# KiCad board Layer0.kicad_pcb
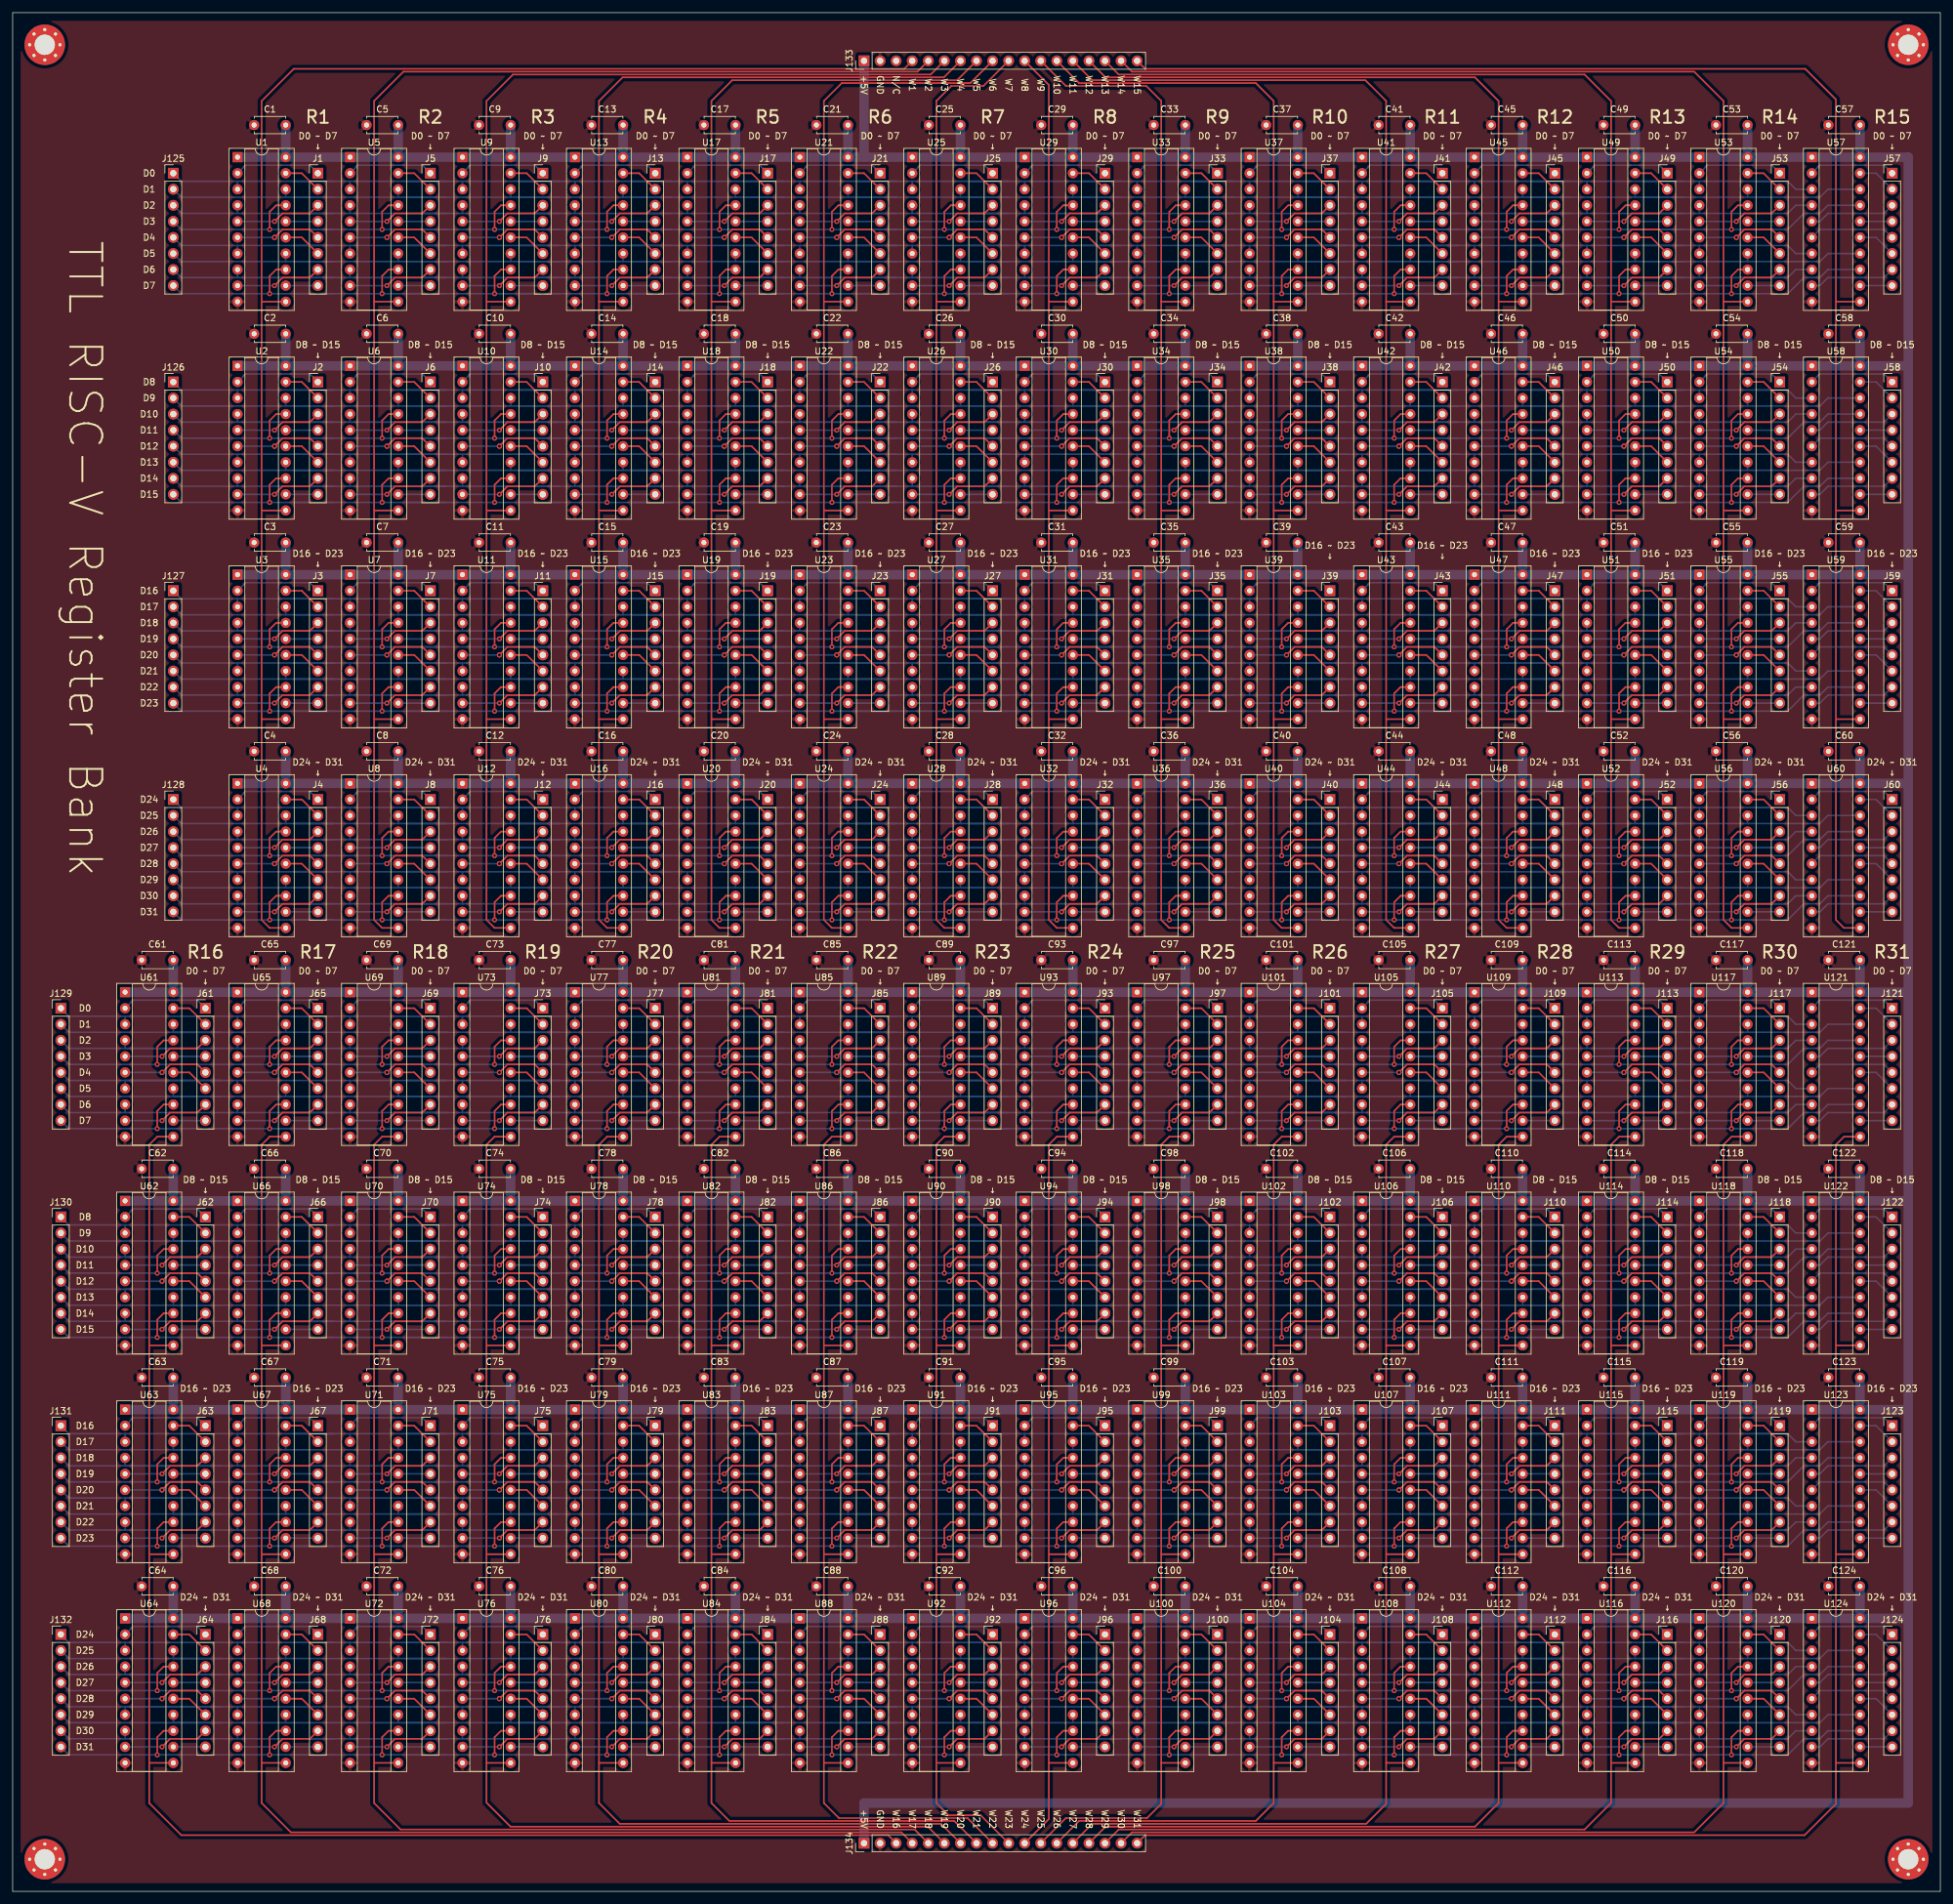
[diagram p0: board, top side]
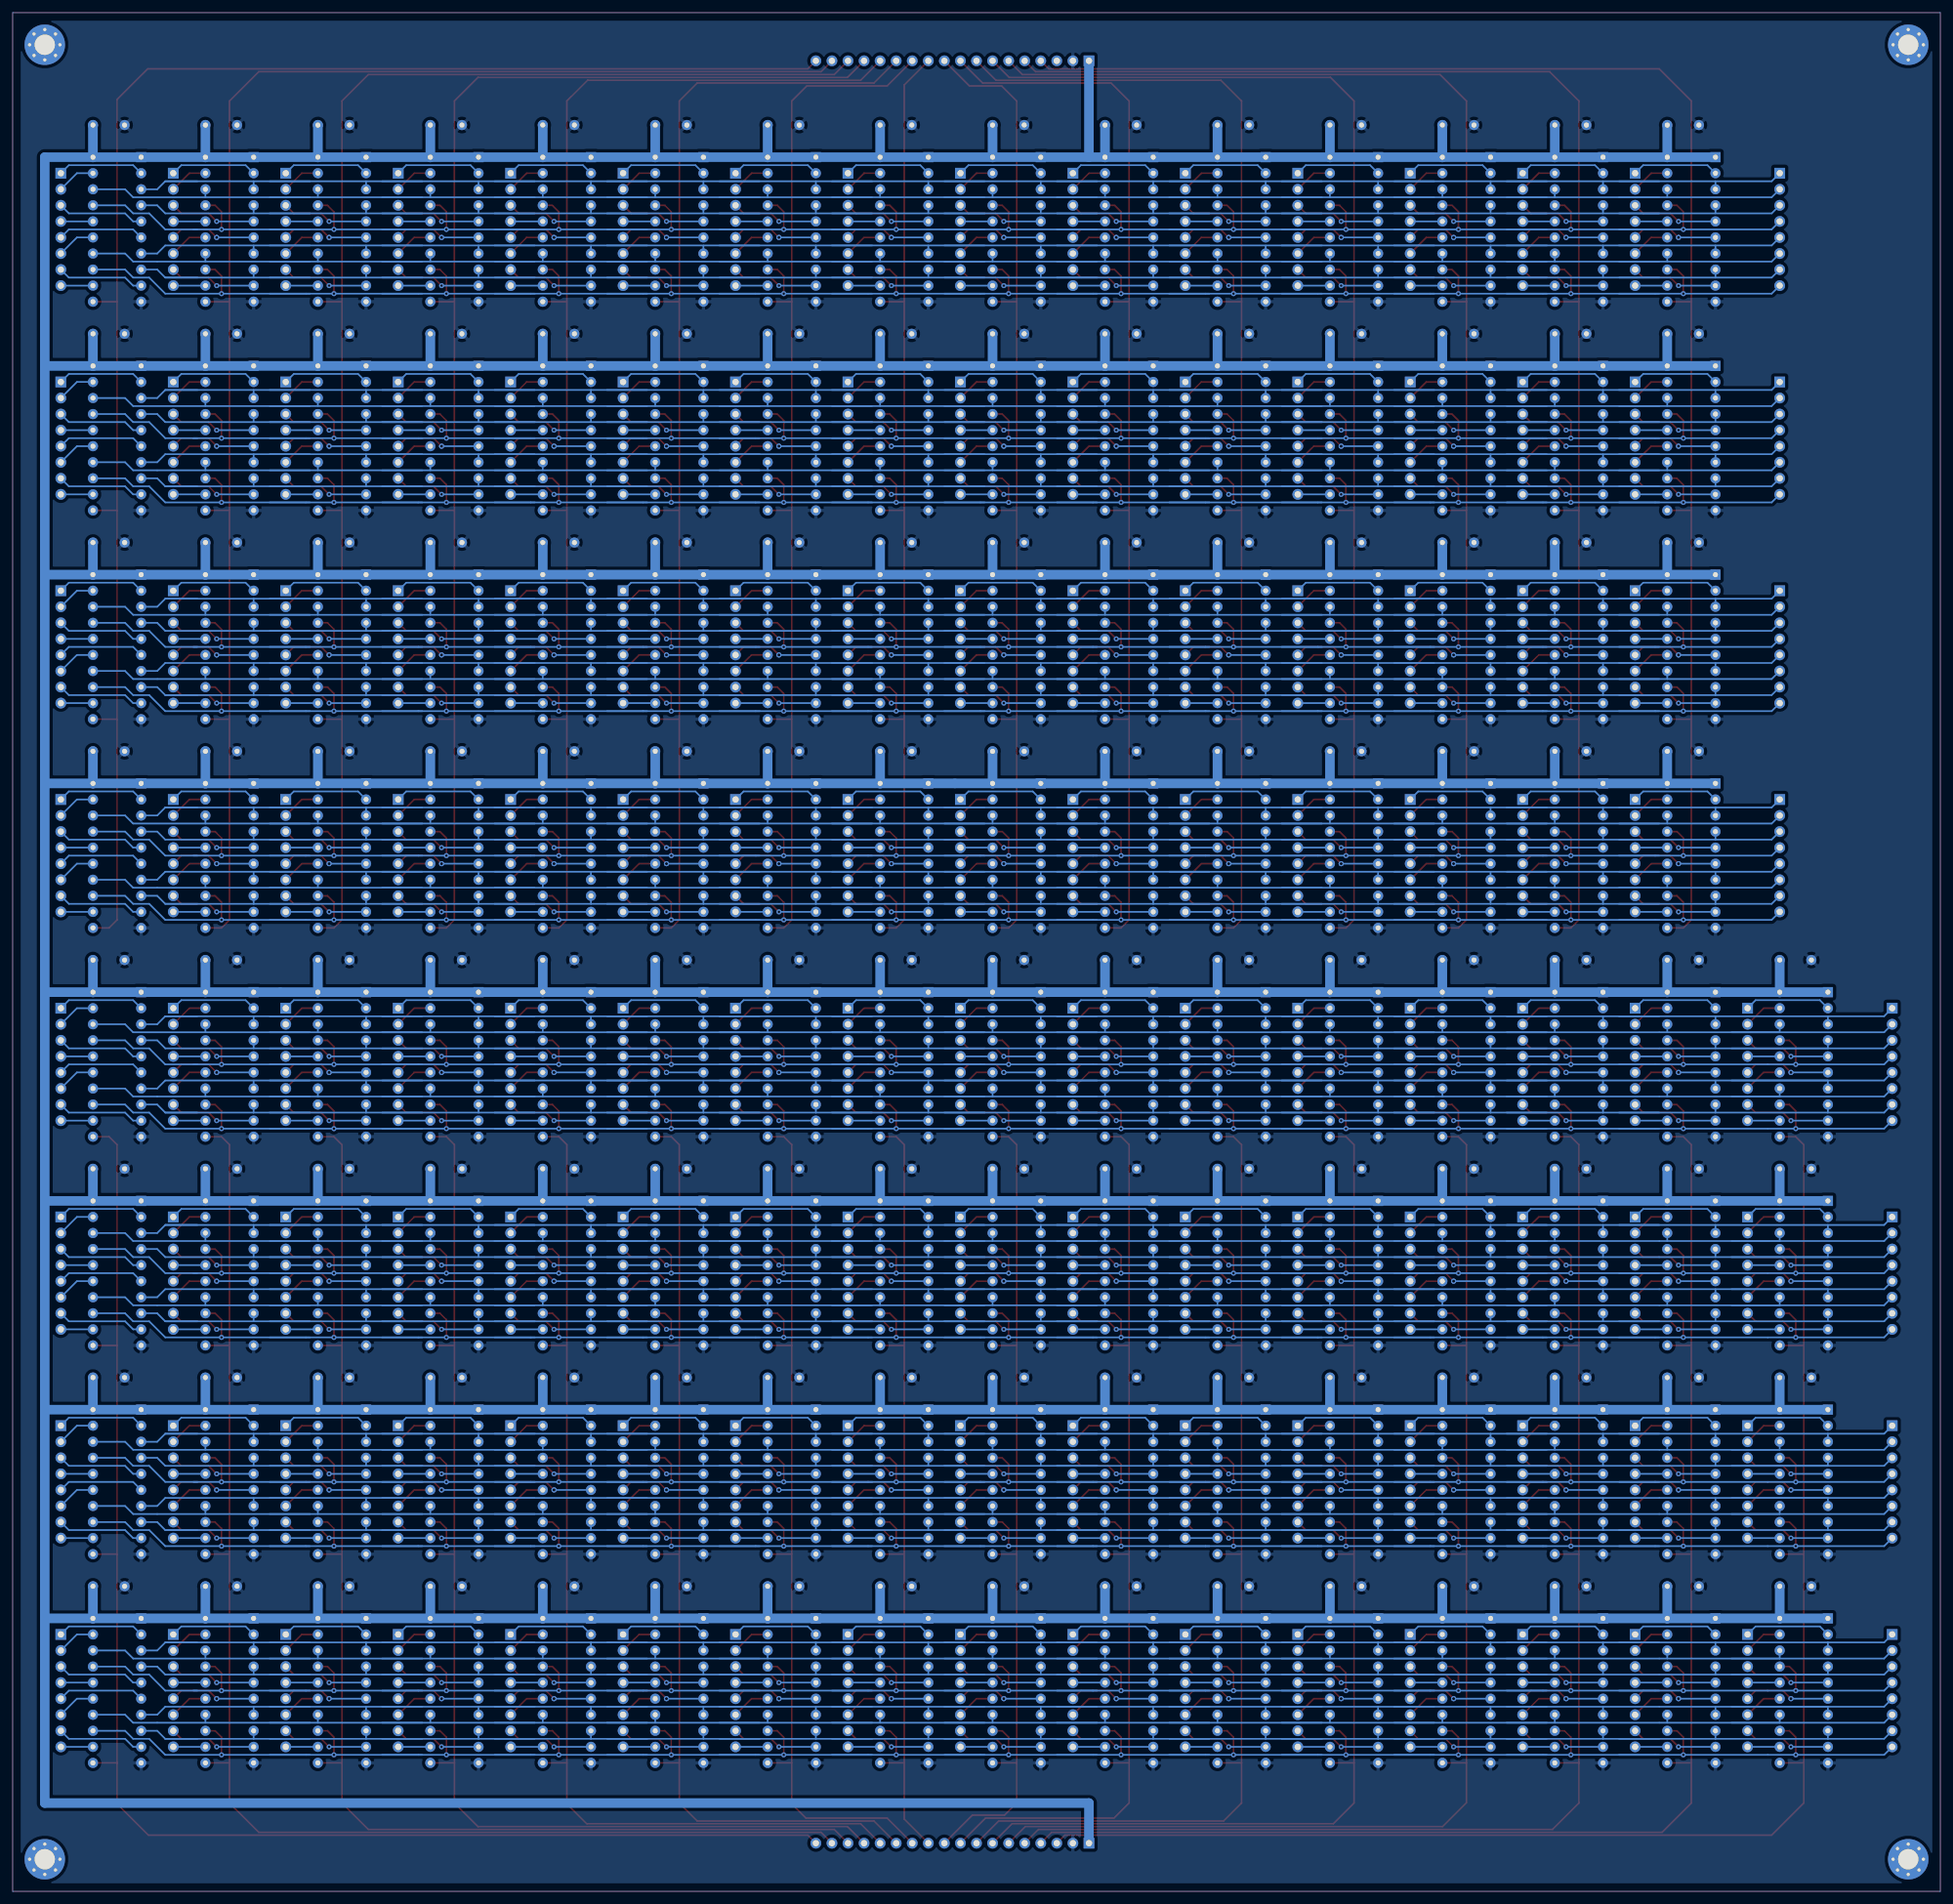
[diagram p1: board, bottom side, seen from below]

Outline 304.8 x 297.18 mm; copper layers: Top, Bottom. Coordinates in mm from the lower left corner of the outline.
Outline path: 0,297.18 304.8,297.18 304.8,0 0,0 0,297.18

## Placement (name value [footprint] x y rotation side)
C1  104  [C_Disc_D4.7mm_W2.5mm_P5.00mm]  38.18 279.4 0 top
C2  104  [C_Disc_D4.7mm_W2.5mm_P5.00mm]  38.18 246.38 0 top
C3  104  [C_Disc_D4.7mm_W2.5mm_P5.00mm]  38.18 213.36 0 top
C4  104  [C_Disc_D4.7mm_W2.5mm_P5.00mm]  38.18 180.34 0 top
C5  104  [C_Disc_D4.7mm_W2.5mm_P5.00mm]  55.96 279.4 0 top
C6  104  [C_Disc_D4.7mm_W2.5mm_P5.00mm]  55.96 246.38 0 top
C7  104  [C_Disc_D4.7mm_W2.5mm_P5.00mm]  55.96 213.36 0 top
C8  104  [C_Disc_D4.7mm_W2.5mm_P5.00mm]  55.96 180.34 0 top
C9  104  [C_Disc_D4.7mm_W2.5mm_P5.00mm]  73.74 279.4 0 top
C10  104  [C_Disc_D4.7mm_W2.5mm_P5.00mm]  73.74 246.38 0 top
C11  104  [C_Disc_D4.7mm_W2.5mm_P5.00mm]  73.74 213.36 0 top
C12  104  [C_Disc_D4.7mm_W2.5mm_P5.00mm]  73.74 180.34 0 top
C13  104  [C_Disc_D4.7mm_W2.5mm_P5.00mm]  91.52 279.4 0 top
C14  104  [C_Disc_D4.7mm_W2.5mm_P5.00mm]  91.52 246.38 0 top
C15  104  [C_Disc_D4.7mm_W2.5mm_P5.00mm]  91.52 213.36 0 top
C16  104  [C_Disc_D4.7mm_W2.5mm_P5.00mm]  91.52 180.34 0 top
C17  104  [C_Disc_D4.7mm_W2.5mm_P5.00mm]  109.3 279.4 0 top
C18  104  [C_Disc_D4.7mm_W2.5mm_P5.00mm]  109.3 246.38 0 top
C19  104  [C_Disc_D4.7mm_W2.5mm_P5.00mm]  109.3 213.36 0 top
C20  104  [C_Disc_D4.7mm_W2.5mm_P5.00mm]  109.3 180.34 0 top
C21  104  [C_Disc_D4.7mm_W2.5mm_P5.00mm]  127.08 279.4 0 top
C22  104  [C_Disc_D4.7mm_W2.5mm_P5.00mm]  127.08 246.38 0 top
C23  104  [C_Disc_D4.7mm_W2.5mm_P5.00mm]  127.08 213.36 0 top
C24  104  [C_Disc_D4.7mm_W2.5mm_P5.00mm]  127.08 180.34 0 top
C25  104  [C_Disc_D4.7mm_W2.5mm_P5.00mm]  144.86 279.4 0 top
C26  104  [C_Disc_D4.7mm_W2.5mm_P5.00mm]  144.86 246.38 0 top
C27  104  [C_Disc_D4.7mm_W2.5mm_P5.00mm]  144.86 213.36 0 top
C28  104  [C_Disc_D4.7mm_W2.5mm_P5.00mm]  144.86 180.34 0 top
C29  104  [C_Disc_D4.7mm_W2.5mm_P5.00mm]  162.64 279.4 0 top
C30  104  [C_Disc_D4.7mm_W2.5mm_P5.00mm]  162.64 246.38 0 top
C31  104  [C_Disc_D4.7mm_W2.5mm_P5.00mm]  162.64 213.36 0 top
C32  104  [C_Disc_D4.7mm_W2.5mm_P5.00mm]  162.64 180.34 0 top
C33  104  [C_Disc_D4.7mm_W2.5mm_P5.00mm]  180.42 279.4 0 top
C34  104  [C_Disc_D4.7mm_W2.5mm_P5.00mm]  180.42 246.38 0 top
C35  104  [C_Disc_D4.7mm_W2.5mm_P5.00mm]  180.42 213.36 0 top
C36  104  [C_Disc_D4.7mm_W2.5mm_P5.00mm]  180.42 180.34 0 top
C37  104  [C_Disc_D4.7mm_W2.5mm_P5.00mm]  198.2 279.4 0 top
C38  104  [C_Disc_D4.7mm_W2.5mm_P5.00mm]  198.2 246.38 0 top
C39  104  [C_Disc_D4.7mm_W2.5mm_P5.00mm]  198.2 213.36 0 top
C40  104  [C_Disc_D4.7mm_W2.5mm_P5.00mm]  198.2 180.34 0 top
C41  104  [C_Disc_D4.7mm_W2.5mm_P5.00mm]  215.98 279.4 0 top
C42  104  [C_Disc_D4.7mm_W2.5mm_P5.00mm]  215.98 246.38 0 top
C43  104  [C_Disc_D4.7mm_W2.5mm_P5.00mm]  215.98 213.36 0 top
C44  104  [C_Disc_D4.7mm_W2.5mm_P5.00mm]  215.98 180.34 0 top
C45  104  [C_Disc_D4.7mm_W2.5mm_P5.00mm]  233.76 279.4 0 top
C46  104  [C_Disc_D4.7mm_W2.5mm_P5.00mm]  233.76 246.38 0 top
C47  104  [C_Disc_D4.7mm_W2.5mm_P5.00mm]  233.76 213.36 0 top
C48  104  [C_Disc_D4.7mm_W2.5mm_P5.00mm]  233.76 180.34 0 top
C49  104  [C_Disc_D4.7mm_W2.5mm_P5.00mm]  251.54 279.4 0 top
C50  104  [C_Disc_D4.7mm_W2.5mm_P5.00mm]  251.54 246.38 0 top
C51  104  [C_Disc_D4.7mm_W2.5mm_P5.00mm]  251.54 213.36 0 top
C52  104  [C_Disc_D4.7mm_W2.5mm_P5.00mm]  251.54 180.34 0 top
C53  104  [C_Disc_D4.7mm_W2.5mm_P5.00mm]  269.32 279.4 0 top
C54  104  [C_Disc_D4.7mm_W2.5mm_P5.00mm]  269.32 246.38 0 top
C55  104  [C_Disc_D4.7mm_W2.5mm_P5.00mm]  269.32 213.36 0 top
C56  104  [C_Disc_D4.7mm_W2.5mm_P5.00mm]  269.32 180.34 0 top
C57  104  [C_Disc_D4.7mm_W2.5mm_P5.00mm]  287.1 279.4 0 top
C58  104  [C_Disc_D4.7mm_W2.5mm_P5.00mm]  287.1 246.38 0 top
C59  104  [C_Disc_D4.7mm_W2.5mm_P5.00mm]  287.1 213.36 0 top
C60  104  [C_Disc_D4.7mm_W2.5mm_P5.00mm]  287.1 180.34 0 top
C61  104  [C_Disc_D4.7mm_W2.5mm_P5.00mm]  20.4 147.32 0 top
C62  104  [C_Disc_D4.7mm_W2.5mm_P5.00mm]  20.4 114.3 0 top
C63  104  [C_Disc_D4.7mm_W2.5mm_P5.00mm]  20.4 81.28 0 top
C64  104  [C_Disc_D4.7mm_W2.5mm_P5.00mm]  20.4 48.26 0 top
C65  104  [C_Disc_D4.7mm_W2.5mm_P5.00mm]  38.18 147.32 0 top
C66  104  [C_Disc_D4.7mm_W2.5mm_P5.00mm]  38.18 114.3 0 top
C67  104  [C_Disc_D4.7mm_W2.5mm_P5.00mm]  38.18 81.28 0 top
C68  104  [C_Disc_D4.7mm_W2.5mm_P5.00mm]  38.18 48.26 0 top
C69  104  [C_Disc_D4.7mm_W2.5mm_P5.00mm]  55.96 147.32 0 top
C70  104  [C_Disc_D4.7mm_W2.5mm_P5.00mm]  55.96 114.3 0 top
C71  104  [C_Disc_D4.7mm_W2.5mm_P5.00mm]  55.96 81.28 0 top
C72  104  [C_Disc_D4.7mm_W2.5mm_P5.00mm]  55.96 48.26 0 top
C73  104  [C_Disc_D4.7mm_W2.5mm_P5.00mm]  73.74 147.32 0 top
C74  104  [C_Disc_D4.7mm_W2.5mm_P5.00mm]  73.74 114.3 0 top
C75  104  [C_Disc_D4.7mm_W2.5mm_P5.00mm]  73.74 81.28 0 top
C76  104  [C_Disc_D4.7mm_W2.5mm_P5.00mm]  73.74 48.26 0 top
C77  104  [C_Disc_D4.7mm_W2.5mm_P5.00mm]  91.52 147.32 0 top
C78  104  [C_Disc_D4.7mm_W2.5mm_P5.00mm]  91.52 114.3 0 top
C79  104  [C_Disc_D4.7mm_W2.5mm_P5.00mm]  91.52 81.28 0 top
C80  104  [C_Disc_D4.7mm_W2.5mm_P5.00mm]  91.52 48.26 0 top
C81  104  [C_Disc_D4.7mm_W2.5mm_P5.00mm]  109.3 147.32 0 top
C82  104  [C_Disc_D4.7mm_W2.5mm_P5.00mm]  109.3 114.3 0 top
C83  104  [C_Disc_D4.7mm_W2.5mm_P5.00mm]  109.3 81.28 0 top
C84  104  [C_Disc_D4.7mm_W2.5mm_P5.00mm]  109.3 48.26 0 top
C85  104  [C_Disc_D4.7mm_W2.5mm_P5.00mm]  127.08 147.32 0 top
C86  104  [C_Disc_D4.7mm_W2.5mm_P5.00mm]  127.08 114.3 0 top
C87  104  [C_Disc_D4.7mm_W2.5mm_P5.00mm]  127.08 81.28 0 top
C88  104  [C_Disc_D4.7mm_W2.5mm_P5.00mm]  127.08 48.26 0 top
C89  104  [C_Disc_D4.7mm_W2.5mm_P5.00mm]  144.86 147.32 0 top
C90  104  [C_Disc_D4.7mm_W2.5mm_P5.00mm]  144.86 114.3 0 top
C91  104  [C_Disc_D4.7mm_W2.5mm_P5.00mm]  144.86 81.28 0 top
C92  104  [C_Disc_D4.7mm_W2.5mm_P5.00mm]  144.86 48.26 0 top
C93  104  [C_Disc_D4.7mm_W2.5mm_P5.00mm]  162.64 147.32 0 top
C94  104  [C_Disc_D4.7mm_W2.5mm_P5.00mm]  162.64 114.3 0 top
C95  104  [C_Disc_D4.7mm_W2.5mm_P5.00mm]  162.64 81.28 0 top
C96  104  [C_Disc_D4.7mm_W2.5mm_P5.00mm]  162.64 48.26 0 top
C97  104  [C_Disc_D4.7mm_W2.5mm_P5.00mm]  180.42 147.32 0 top
C98  104  [C_Disc_D4.7mm_W2.5mm_P5.00mm]  180.42 114.3 0 top
C99  104  [C_Disc_D4.7mm_W2.5mm_P5.00mm]  180.42 81.28 0 top
C100  104  [C_Disc_D4.7mm_W2.5mm_P5.00mm]  180.42 48.26 0 top
C101  104  [C_Disc_D4.7mm_W2.5mm_P5.00mm]  198.2 147.32 0 top
C102  104  [C_Disc_D4.7mm_W2.5mm_P5.00mm]  198.2 114.3 0 top
C103  104  [C_Disc_D4.7mm_W2.5mm_P5.00mm]  198.2 81.28 0 top
C104  104  [C_Disc_D4.7mm_W2.5mm_P5.00mm]  198.2 48.26 0 top
C105  104  [C_Disc_D4.7mm_W2.5mm_P5.00mm]  215.98 147.32 0 top
C106  104  [C_Disc_D4.7mm_W2.5mm_P5.00mm]  215.98 114.3 0 top
C107  104  [C_Disc_D4.7mm_W2.5mm_P5.00mm]  215.98 81.28 0 top
C108  104  [C_Disc_D4.7mm_W2.5mm_P5.00mm]  215.98 48.26 0 top
C109  104  [C_Disc_D4.7mm_W2.5mm_P5.00mm]  233.76 147.32 0 top
C110  104  [C_Disc_D4.7mm_W2.5mm_P5.00mm]  233.76 114.3 0 top
C111  104  [C_Disc_D4.7mm_W2.5mm_P5.00mm]  233.76 81.28 0 top
C112  104  [C_Disc_D4.7mm_W2.5mm_P5.00mm]  233.76 48.26 0 top
C113  104  [C_Disc_D4.7mm_W2.5mm_P5.00mm]  251.54 147.32 0 top
C114  104  [C_Disc_D4.7mm_W2.5mm_P5.00mm]  251.54 114.3 0 top
C115  104  [C_Disc_D4.7mm_W2.5mm_P5.00mm]  251.54 81.28 0 top
C116  104  [C_Disc_D4.7mm_W2.5mm_P5.00mm]  251.54 48.26 0 top
C117  104  [C_Disc_D4.7mm_W2.5mm_P5.00mm]  269.32 147.32 0 top
C118  104  [C_Disc_D4.7mm_W2.5mm_P5.00mm]  269.32 114.3 0 top
C119  104  [C_Disc_D4.7mm_W2.5mm_P5.00mm]  269.32 81.28 0 top
C120  104  [C_Disc_D4.7mm_W2.5mm_P5.00mm]  269.32 48.26 0 top
C121  104  [C_Disc_D4.7mm_W2.5mm_P5.00mm]  287.1 147.32 0 top
C122  104  [C_Disc_D4.7mm_W2.5mm_P5.00mm]  287.1 114.3 0 top
C123  104  [C_Disc_D4.7mm_W2.5mm_P5.00mm]  287.1 81.28 0 top
C124  104  [C_Disc_D4.7mm_W2.5mm_P5.00mm]  287.1 48.26 0 top
J1  Conn_01x08_Male  [PinHeader_1x08_P2.54mm_Vertical]  48.26 271.78 0 top
J2  Conn_01x08_Male  [PinHeader_1x08_P2.54mm_Vertical]  48.26 238.76 0 top
J3  Conn_01x08_Male  [PinHeader_1x08_P2.54mm_Vertical]  48.26 205.74 0 top
J4  Conn_01x08_Male  [PinHeader_1x08_P2.54mm_Vertical]  48.26 172.72 0 top
J5  Conn_01x08_Male  [PinHeader_1x08_P2.54mm_Vertical]  66.04 271.78 0 top
J6  Conn_01x08_Male  [PinHeader_1x08_P2.54mm_Vertical]  66.04 238.76 0 top
J7  Conn_01x08_Male  [PinHeader_1x08_P2.54mm_Vertical]  66.04 205.74 0 top
J8  Conn_01x08_Male  [PinHeader_1x08_P2.54mm_Vertical]  66.04 172.72 0 top
J9  Conn_01x08_Male  [PinHeader_1x08_P2.54mm_Vertical]  83.82 271.78 0 top
J10  Conn_01x08_Male  [PinHeader_1x08_P2.54mm_Vertical]  83.82 238.76 0 top
J11  Conn_01x08_Male  [PinHeader_1x08_P2.54mm_Vertical]  83.82 205.74 0 top
J12  Conn_01x08_Male  [PinHeader_1x08_P2.54mm_Vertical]  83.82 172.72 0 top
J13  Conn_01x08_Male  [PinHeader_1x08_P2.54mm_Vertical]  101.6 271.78 0 top
J14  Conn_01x08_Male  [PinHeader_1x08_P2.54mm_Vertical]  101.6 238.76 0 top
J15  Conn_01x08_Male  [PinHeader_1x08_P2.54mm_Vertical]  101.6 205.74 0 top
J16  Conn_01x08_Male  [PinHeader_1x08_P2.54mm_Vertical]  101.6 172.72 0 top
J17  Conn_01x08_Male  [PinHeader_1x08_P2.54mm_Vertical]  119.38 271.78 0 top
J18  Conn_01x08_Male  [PinHeader_1x08_P2.54mm_Vertical]  119.38 238.76 0 top
J19  Conn_01x08_Male  [PinHeader_1x08_P2.54mm_Vertical]  119.38 205.74 0 top
J20  Conn_01x08_Male  [PinHeader_1x08_P2.54mm_Vertical]  119.38 172.72 0 top
J21  Conn_01x08_Male  [PinHeader_1x08_P2.54mm_Vertical]  137.16 271.78 0 top
J22  Conn_01x08_Male  [PinHeader_1x08_P2.54mm_Vertical]  137.16 238.76 0 top
J23  Conn_01x08_Male  [PinHeader_1x08_P2.54mm_Vertical]  137.16 205.74 0 top
J24  Conn_01x08_Male  [PinHeader_1x08_P2.54mm_Vertical]  137.16 172.72 0 top
J25  Conn_01x08_Male  [PinHeader_1x08_P2.54mm_Vertical]  154.94 271.78 0 top
J26  Conn_01x08_Male  [PinHeader_1x08_P2.54mm_Vertical]  154.94 238.76 0 top
J27  Conn_01x08_Male  [PinHeader_1x08_P2.54mm_Vertical]  154.94 205.74 0 top
J28  Conn_01x08_Male  [PinHeader_1x08_P2.54mm_Vertical]  154.94 172.72 0 top
J29  Conn_01x08_Male  [PinHeader_1x08_P2.54mm_Vertical]  172.72 271.78 0 top
J30  Conn_01x08_Male  [PinHeader_1x08_P2.54mm_Vertical]  172.72 238.76 0 top
J31  Conn_01x08_Male  [PinHeader_1x08_P2.54mm_Vertical]  172.72 205.74 0 top
J32  Conn_01x08_Male  [PinHeader_1x08_P2.54mm_Vertical]  172.72 172.72 0 top
J33  Conn_01x08_Male  [PinHeader_1x08_P2.54mm_Vertical]  190.5 271.78 0 top
J34  Conn_01x08_Male  [PinHeader_1x08_P2.54mm_Vertical]  190.5 238.76 0 top
J35  Conn_01x08_Male  [PinHeader_1x08_P2.54mm_Vertical]  190.5 205.74 0 top
J36  Conn_01x08_Male  [PinHeader_1x08_P2.54mm_Vertical]  190.5 172.72 0 top
J37  Conn_01x08_Male  [PinHeader_1x08_P2.54mm_Vertical]  208.28 271.78 0 top
J38  Conn_01x08_Male  [PinHeader_1x08_P2.54mm_Vertical]  208.28 238.76 0 top
J39  Conn_01x08_Male  [PinHeader_1x08_P2.54mm_Vertical]  208.28 205.74 0 top
J40  Conn_01x08_Male  [PinHeader_1x08_P2.54mm_Vertical]  208.28 172.72 0 top
J41  Conn_01x08_Male  [PinHeader_1x08_P2.54mm_Vertical]  226.06 271.78 0 top
J42  Conn_01x08_Male  [PinHeader_1x08_P2.54mm_Vertical]  226.06 238.76 0 top
J43  Conn_01x08_Male  [PinHeader_1x08_P2.54mm_Vertical]  226.06 205.74 0 top
J44  Conn_01x08_Male  [PinHeader_1x08_P2.54mm_Vertical]  226.06 172.72 0 top
J45  Conn_01x08_Male  [PinHeader_1x08_P2.54mm_Vertical]  243.84 271.78 0 top
J46  Conn_01x08_Male  [PinHeader_1x08_P2.54mm_Vertical]  243.84 238.76 0 top
J47  Conn_01x08_Male  [PinHeader_1x08_P2.54mm_Vertical]  243.84 205.74 0 top
J48  Conn_01x08_Male  [PinHeader_1x08_P2.54mm_Vertical]  243.84 172.72 0 top
J49  Conn_01x08_Male  [PinHeader_1x08_P2.54mm_Vertical]  261.62 271.78 0 top
J50  Conn_01x08_Male  [PinHeader_1x08_P2.54mm_Vertical]  261.62 238.76 0 top
J51  Conn_01x08_Male  [PinHeader_1x08_P2.54mm_Vertical]  261.62 205.74 0 top
J52  Conn_01x08_Male  [PinHeader_1x08_P2.54mm_Vertical]  261.62 172.72 0 top
J53  Conn_01x08_Male  [PinHeader_1x08_P2.54mm_Vertical]  279.4 271.78 0 top
J54  Conn_01x08_Male  [PinHeader_1x08_P2.54mm_Vertical]  279.4 238.76 0 top
J55  Conn_01x08_Male  [PinHeader_1x08_P2.54mm_Vertical]  279.4 205.74 0 top
J56  Conn_01x08_Male  [PinHeader_1x08_P2.54mm_Vertical]  279.4 172.72 0 top
J57  Conn_01x08_Male  [PinHeader_1x08_P2.54mm_Vertical]  297.18 271.78 0 top
J58  Conn_01x08_Male  [PinHeader_1x08_P2.54mm_Vertical]  297.18 238.76 0 top
J59  Conn_01x08_Male  [PinHeader_1x08_P2.54mm_Vertical]  297.18 205.74 0 top
J60  Conn_01x08_Male  [PinHeader_1x08_P2.54mm_Vertical]  297.18 172.72 0 top
J61  Conn_01x08_Male  [PinHeader_1x08_P2.54mm_Vertical]  30.48 139.7 0 top
J62  Conn_01x08_Male  [PinHeader_1x08_P2.54mm_Vertical]  30.48 106.68 0 top
J63  Conn_01x08_Male  [PinHeader_1x08_P2.54mm_Vertical]  30.48 73.66 0 top
J64  Conn_01x08_Male  [PinHeader_1x08_P2.54mm_Vertical]  30.48 40.64 0 top
J65  Conn_01x08_Male  [PinHeader_1x08_P2.54mm_Vertical]  48.26 139.7 0 top
J66  Conn_01x08_Male  [PinHeader_1x08_P2.54mm_Vertical]  48.26 106.68 0 top
J67  Conn_01x08_Male  [PinHeader_1x08_P2.54mm_Vertical]  48.26 73.66 0 top
J68  Conn_01x08_Male  [PinHeader_1x08_P2.54mm_Vertical]  48.26 40.64 0 top
J69  Conn_01x08_Male  [PinHeader_1x08_P2.54mm_Vertical]  66.04 139.7 0 top
J70  Conn_01x08_Male  [PinHeader_1x08_P2.54mm_Vertical]  66.04 106.68 0 top
J71  Conn_01x08_Male  [PinHeader_1x08_P2.54mm_Vertical]  66.04 73.66 0 top
J72  Conn_01x08_Male  [PinHeader_1x08_P2.54mm_Vertical]  66.04 40.64 0 top
J73  Conn_01x08_Male  [PinHeader_1x08_P2.54mm_Vertical]  83.82 139.7 0 top
J74  Conn_01x08_Male  [PinHeader_1x08_P2.54mm_Vertical]  83.82 106.68 0 top
J75  Conn_01x08_Male  [PinHeader_1x08_P2.54mm_Vertical]  83.82 73.66 0 top
J76  Conn_01x08_Male  [PinHeader_1x08_P2.54mm_Vertical]  83.82 40.64 0 top
J77  Conn_01x08_Male  [PinHeader_1x08_P2.54mm_Vertical]  101.6 139.7 0 top
J78  Conn_01x08_Male  [PinHeader_1x08_P2.54mm_Vertical]  101.6 106.68 0 top
J79  Conn_01x08_Male  [PinHeader_1x08_P2.54mm_Vertical]  101.6 73.66 0 top
J80  Conn_01x08_Male  [PinHeader_1x08_P2.54mm_Vertical]  101.6 40.64 0 top
J81  Conn_01x08_Male  [PinHeader_1x08_P2.54mm_Vertical]  119.38 139.7 0 top
J82  Conn_01x08_Male  [PinHeader_1x08_P2.54mm_Vertical]  119.38 106.68 0 top
J83  Conn_01x08_Male  [PinHeader_1x08_P2.54mm_Vertical]  119.38 73.66 0 top
J84  Conn_01x08_Male  [PinHeader_1x08_P2.54mm_Vertical]  119.38 40.64 0 top
J85  Conn_01x08_Male  [PinHeader_1x08_P2.54mm_Vertical]  137.16 139.7 0 top
J86  Conn_01x08_Male  [PinHeader_1x08_P2.54mm_Vertical]  137.16 106.68 0 top
J87  Conn_01x08_Male  [PinHeader_1x08_P2.54mm_Vertical]  137.16 73.66 0 top
J88  Conn_01x08_Male  [PinHeader_1x08_P2.54mm_Vertical]  137.16 40.64 0 top
J89  Conn_01x08_Male  [PinHeader_1x08_P2.54mm_Vertical]  154.94 139.7 0 top
J90  Conn_01x08_Male  [PinHeader_1x08_P2.54mm_Vertical]  154.94 106.68 0 top
J91  Conn_01x08_Male  [PinHeader_1x08_P2.54mm_Vertical]  154.94 73.66 0 top
J92  Conn_01x08_Male  [PinHeader_1x08_P2.54mm_Vertical]  154.94 40.64 0 top
J93  Conn_01x08_Male  [PinHeader_1x08_P2.54mm_Vertical]  172.72 139.7 0 top
J94  Conn_01x08_Male  [PinHeader_1x08_P2.54mm_Vertical]  172.72 106.68 0 top
J95  Conn_01x08_Male  [PinHeader_1x08_P2.54mm_Vertical]  172.72 73.66 0 top
J96  Conn_01x08_Male  [PinHeader_1x08_P2.54mm_Vertical]  172.72 40.64 0 top
J97  Conn_01x08_Male  [PinHeader_1x08_P2.54mm_Vertical]  190.5 139.7 0 top
J98  Conn_01x08_Male  [PinHeader_1x08_P2.54mm_Vertical]  190.5 106.68 0 top
J99  Conn_01x08_Male  [PinHeader_1x08_P2.54mm_Vertical]  190.5 73.66 0 top
J100  Conn_01x08_Male  [PinHeader_1x08_P2.54mm_Vertical]  190.5 40.64 0 top
J101  Conn_01x08_Male  [PinHeader_1x08_P2.54mm_Vertical]  208.28 139.7 0 top
J102  Conn_01x08_Male  [PinHeader_1x08_P2.54mm_Vertical]  208.28 106.68 0 top
J103  Conn_01x08_Male  [PinHeader_1x08_P2.54mm_Vertical]  208.28 73.66 0 top
J104  Conn_01x08_Male  [PinHeader_1x08_P2.54mm_Vertical]  208.28 40.64 0 top
J105  Conn_01x08_Male  [PinHeader_1x08_P2.54mm_Vertical]  226.06 139.7 0 top
J106  Conn_01x08_Male  [PinHeader_1x08_P2.54mm_Vertical]  226.06 106.68 0 top
J107  Conn_01x08_Male  [PinHeader_1x08_P2.54mm_Vertical]  226.06 73.66 0 top
J108  Conn_01x08_Male  [PinHeader_1x08_P2.54mm_Vertical]  226.06 40.64 0 top
J109  Conn_01x08_Male  [PinHeader_1x08_P2.54mm_Vertical]  243.84 139.7 0 top
J110  Conn_01x08_Male  [PinHeader_1x08_P2.54mm_Vertical]  243.84 106.68 0 top
J111  Conn_01x08_Male  [PinHeader_1x08_P2.54mm_Vertical]  243.84 73.66 0 top
J112  Conn_01x08_Male  [PinHeader_1x08_P2.54mm_Vertical]  243.84 40.64 0 top
J113  Conn_01x08_Male  [PinHeader_1x08_P2.54mm_Vertical]  261.62 139.7 0 top
J114  Conn_01x08_Male  [PinHeader_1x08_P2.54mm_Vertical]  261.62 106.68 0 top
J115  Conn_01x08_Male  [PinHeader_1x08_P2.54mm_Vertical]  261.62 73.66 0 top
J116  Conn_01x08_Male  [PinHeader_1x08_P2.54mm_Vertical]  261.62 40.64 0 top
J117  Conn_01x08_Male  [PinHeader_1x08_P2.54mm_Vertical]  279.4 139.7 0 top
J118  Conn_01x08_Male  [PinHeader_1x08_P2.54mm_Vertical]  279.4 106.68 0 top
J119  Conn_01x08_Male  [PinHeader_1x08_P2.54mm_Vertical]  279.4 73.66 0 top
J120  Conn_01x08_Male  [PinHeader_1x08_P2.54mm_Vertical]  279.4 40.64 0 top
J121  Conn_01x08_Male  [PinHeader_1x08_P2.54mm_Vertical]  297.18 139.7 0 top
J122  Conn_01x08_Male  [PinHeader_1x08_P2.54mm_Vertical]  297.18 106.68 0 top
J123  Conn_01x08_Male  [PinHeader_1x08_P2.54mm_Vertical]  297.18 73.66 0 top
J124  Conn_01x08_Male  [PinHeader_1x08_P2.54mm_Vertical]  297.18 40.64 0 top
J125  Conn_01x08_Male  [PinHeader_1x08_P2.54mm_Vertical]  25.4 271.78 0 top
J126  Conn_01x08_Male  [PinHeader_1x08_P2.54mm_Vertical]  25.4 238.76 0 top
J127  Conn_01x08_Male  [PinHeader_1x08_P2.54mm_Vertical]  25.4 205.74 0 top
J128  Conn_01x08_Male  [PinHeader_1x08_P2.54mm_Vertical]  25.4 172.72 0 top
J129  Conn_01x08_Male  [PinHeader_1x08_P2.54mm_Vertical]  7.62 139.7 0 top
J130  Conn_01x08_Male  [PinHeader_1x08_P2.54mm_Vertical]  7.62 106.68 0 top
J131  Conn_01x08_Male  [PinHeader_1x08_P2.54mm_Vertical]  7.62 73.66 0 top
J132  Conn_01x08_Male  [PinHeader_1x08_P2.54mm_Vertical]  7.62 40.64 0 top
J133  Conn_01x18_Male  [PinHeader_1x18_P2.54mm_Vertical]  134.62 289.56 90 top
J134  Conn_01x18_Male  [PinHeader_1x18_P2.54mm_Vertical]  134.62 7.62 90 top
REF**  -  [MountingHole_3.2mm_M3_Pad_Via]  5.08 292.1 0 top
REF**#2  -  [MountingHole_3.2mm_M3_Pad_Via]  299.72 292.1 0 top
REF**#3  -  [MountingHole_3.2mm_M3_Pad_Via]  299.72 5.08 0 top
REF**#4  -  [MountingHole_3.2mm_M3_Pad_Via]  5.08 5.08 0 top
U1  74LS273  [DIP-20_W7.62mm_Socket]  35.56 274.32 0 top